# KiCad board hackrf-one.kicad_pcb
title: HackRF One; date: 2022-10-30; rev: r9; company: Copyright 2012-2022 Great Scott Gadgets; note: Licensed under the CERN-OHL-P v2
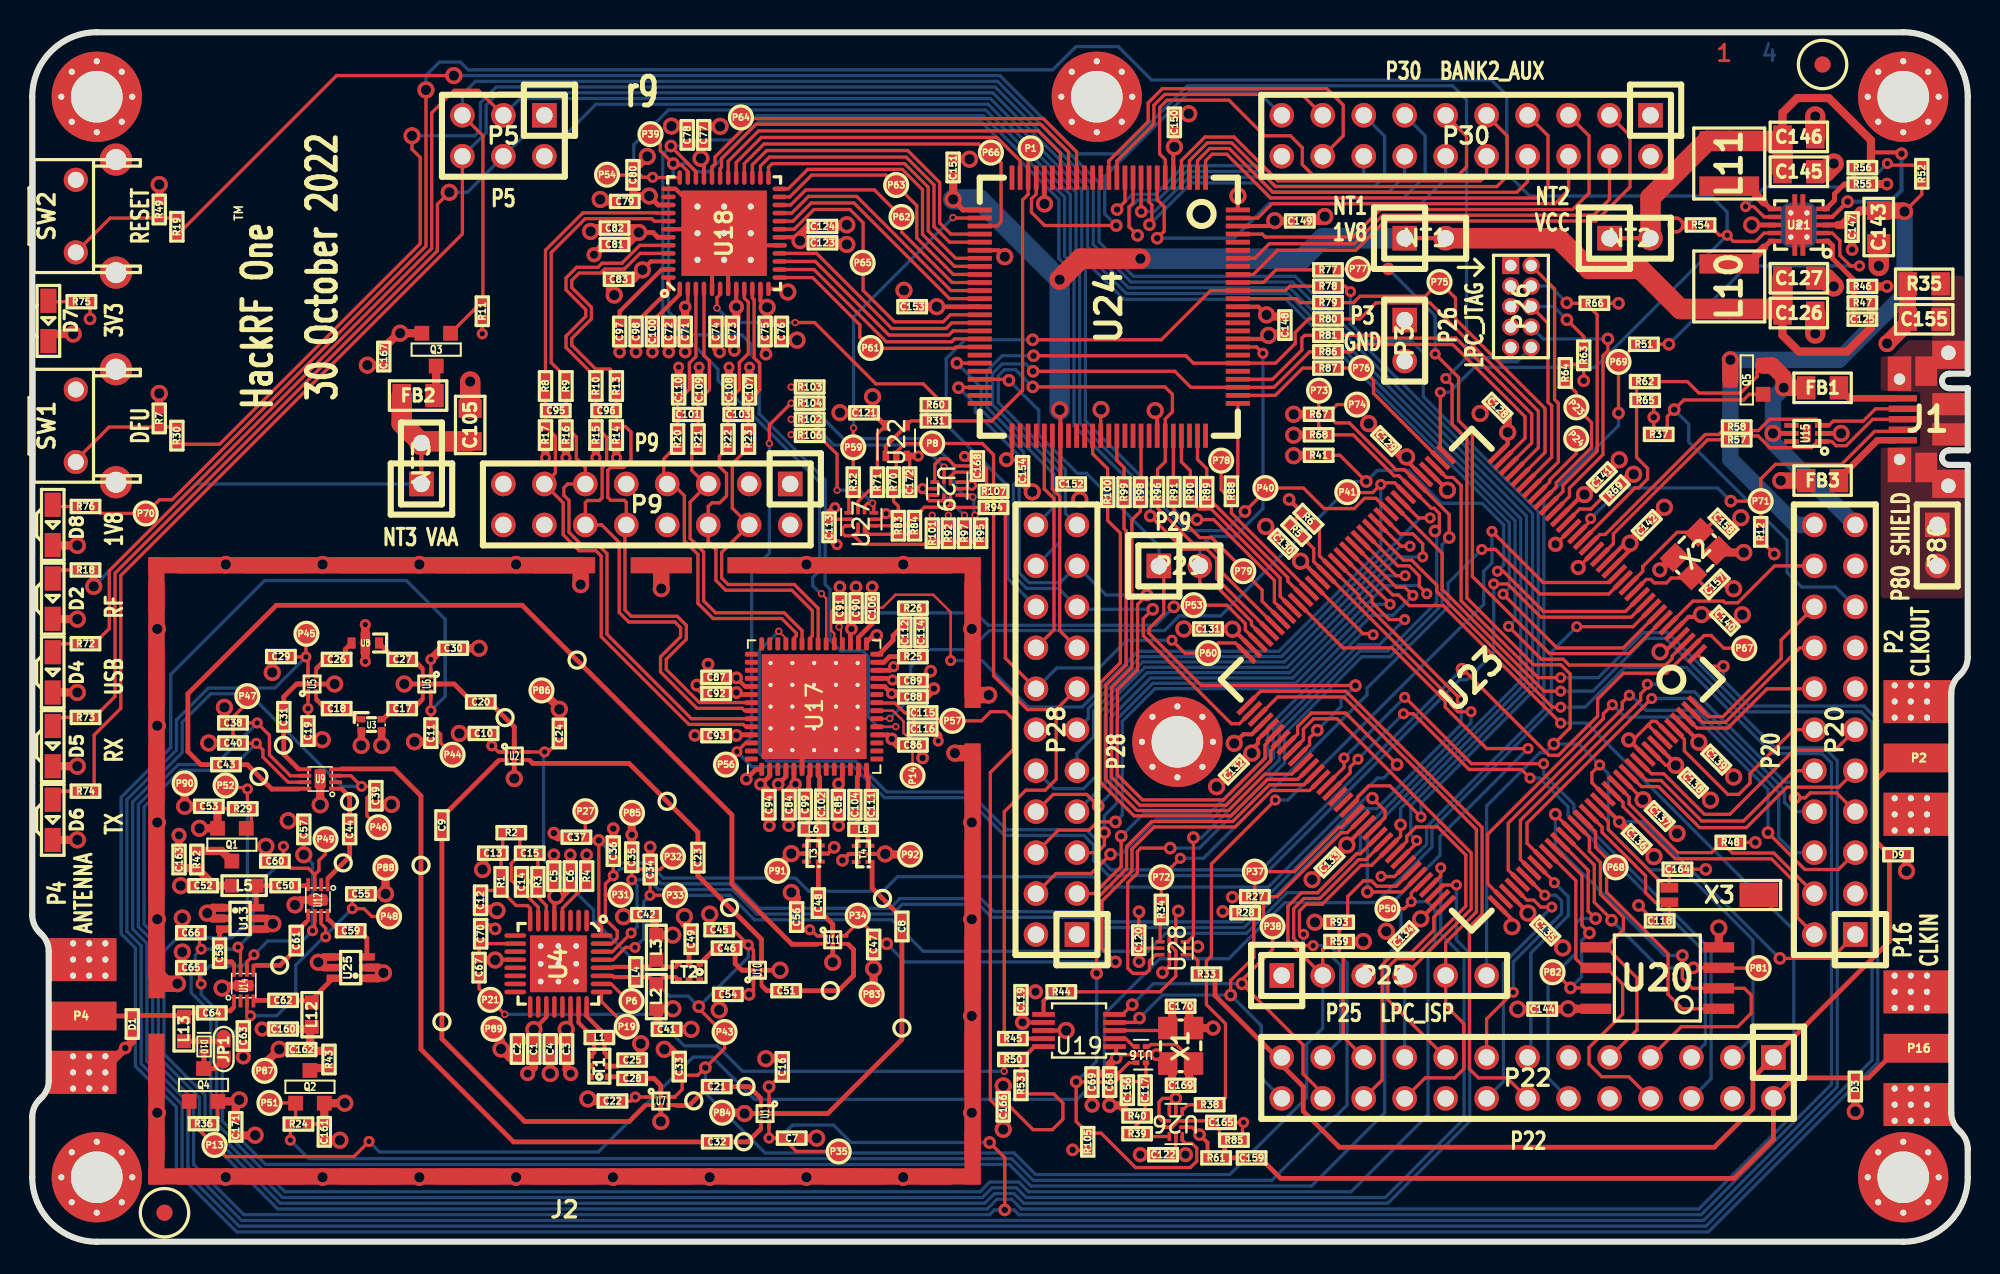
[diagram p0: board, top side]
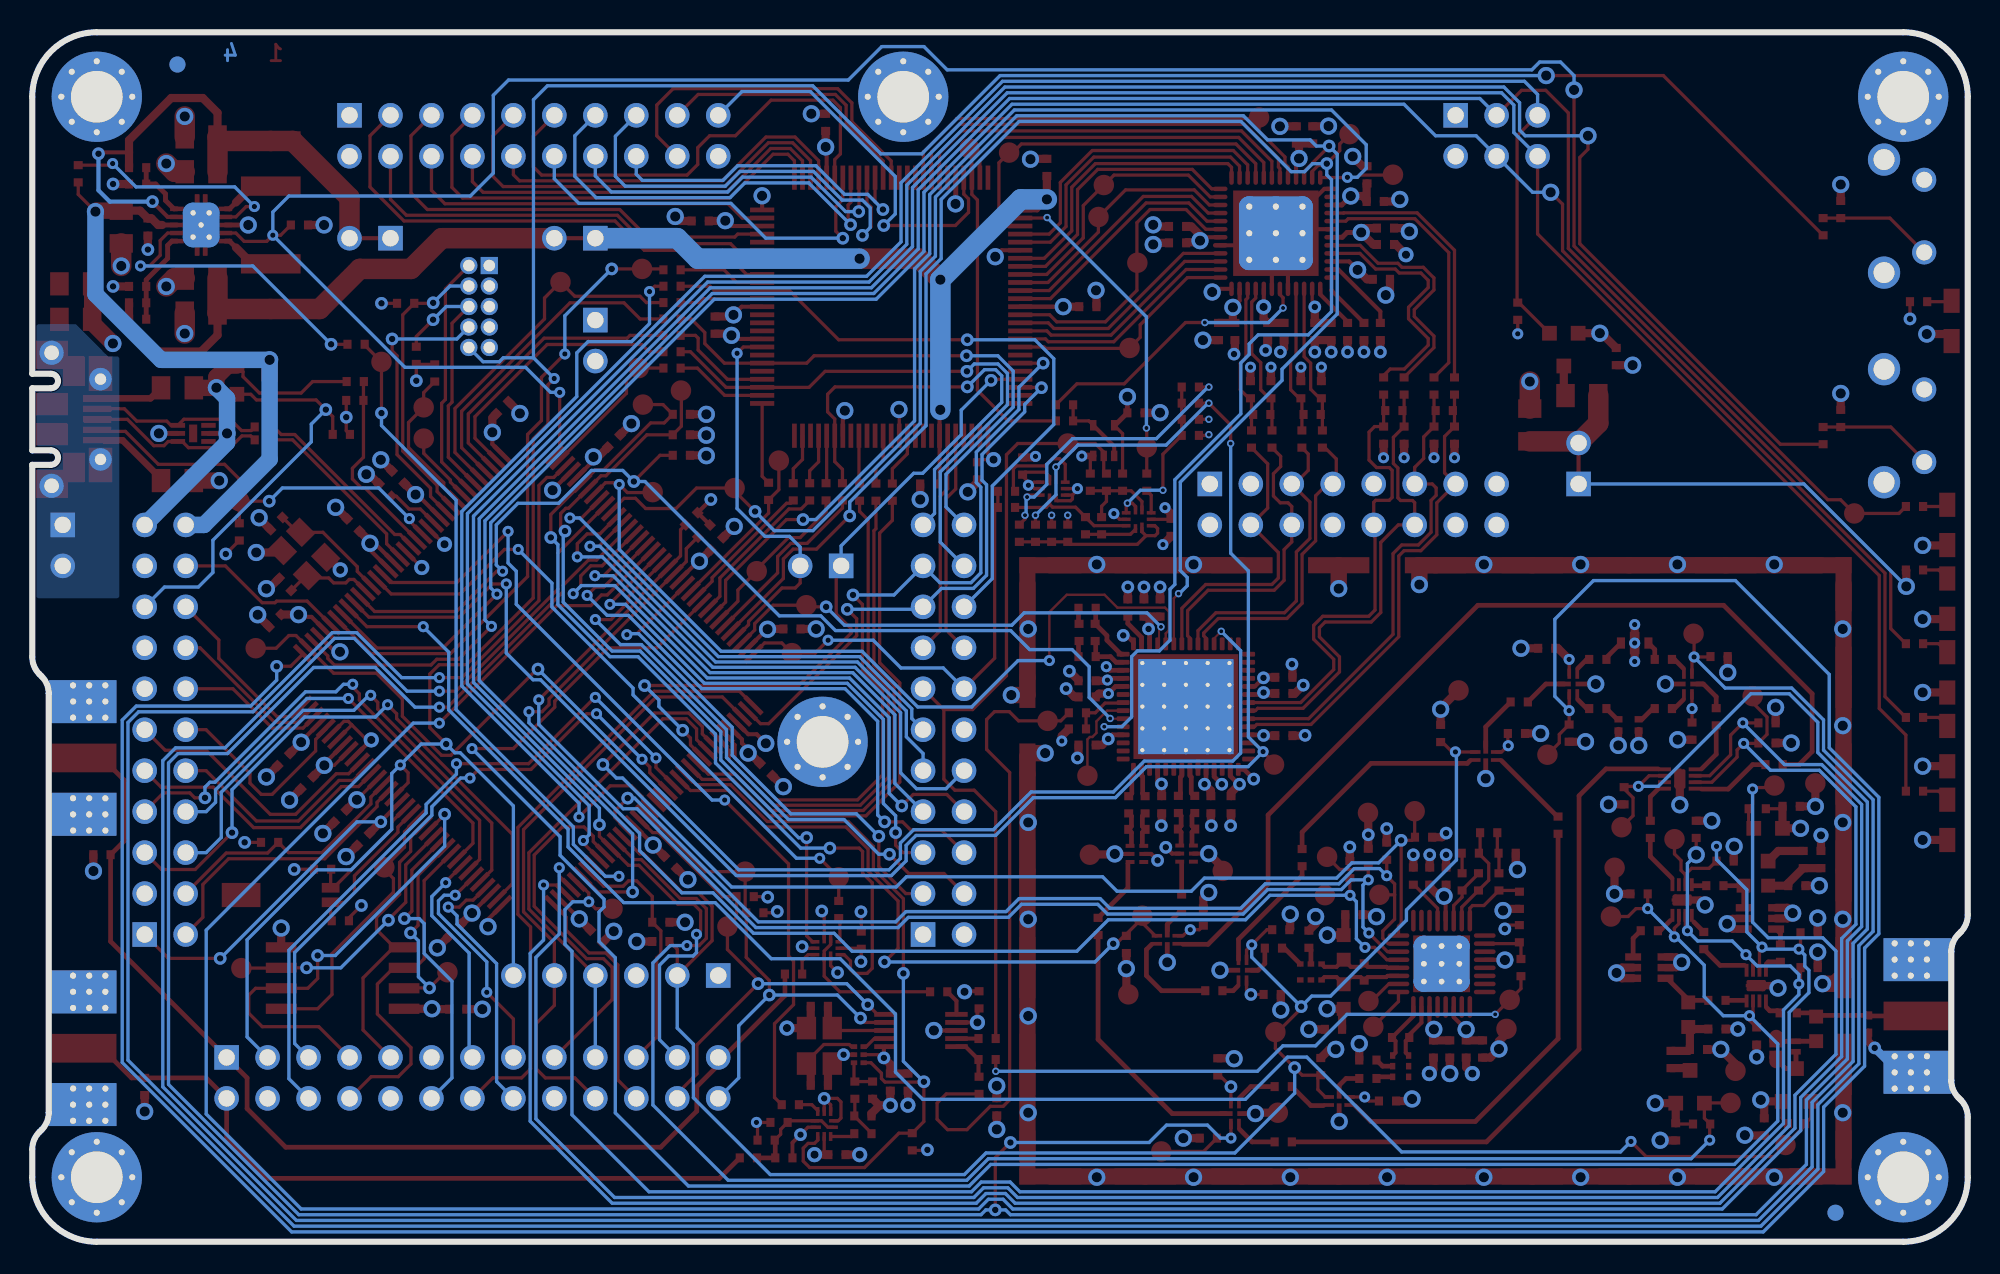
[diagram p1: board, bottom side, seen from below]

Outline 120 x 75 mm; copper layers: C1F, C2, C3, C4B. Coordinates in mm from the lower left corner of the outline.
Outline path: 0,71 arc(1.17,73.83) 4,75 116,75 arc(118.83,73.83) 120,71 120,53.83 118.85,53.83 arc(118.4,53.38) 118.85,52.92 120,52.92 120,49.08 118.85,49.08 arc(118.4,48.62) 118.85,48.17 120,48.17 120,36.26 arc(119.89,35.69) 119.56,35.2 119.42,35.06 arc(119.09,34.57) 118.98,34 118.98,8 arc(119.09,7.43) 119.42,6.94 119.56,6.8 arc(119.89,6.31) 120,5.74 120,4 arc(118.83,1.17) 116,0 4,0 arc(1.17,1.17) 0,4 0,7.74 arc(0.11,8.31) 0.44,8.8 0.58,8.94 arc(0.91,9.43) 1.02,10 1.02,18 arc(0.91,18.57) 0.58,19.06 0.44,19.2 arc(0.11,19.69) 0,20.26 0,71
Stack: C1F 0.035mm / dielectric 0.2104mm 7628 er 4.6 / C2 0.0152mm / dielectric 1.065mm 7628 er 4.6 / C3 0.0152mm / dielectric 0.2104mm 7628 er 4.6 / C4B 0.035mm

## Placement (name value [footprint] x y rotation side)
C1  33pF  [GSG-0402]  31.1 11.95 270 top
C2  10nF  [GSG-0402]  30.08 11.95 270 top
C3  33pF  [GSG-0402]  33.13 11.95 270 top
C4  10nF  [GSG-0402]  32.11 11.95 270 top
C5  33pF  [GSG-0402]  32.34 22.67 90 top
C6  10nF  [GSG-0402]  33.36 22.67 90 top
C7  33pF  [GSG-0402]  47.08 6.42 180 top
C8  22pF  [GSG-0402]  53.92 19.55 270 top
C9  100nF  [GSG-0402]  25.4 25.83 90 top
C10  10nF  [GSG-0402]  27.98 31.52 0 top
C11  33pF  [GSG-0402]  24.71 31.54 90 top
C12  330pF  [GSG-0402]  27.79 21.17 270 top
C13  330pF  [GSG-0402]  28.56 24.09 180 top
C14  8p2  [GSG-0402]  30.33 22.32 90 top
C15  180pF  [GSG-0402]  30.84 24.09 0 top
C16  10nF  [GSG-0402]  46.5 10.84 90 top
C17  100nF  [GSG-0402]  22.94 33.06 0 top
C18  100nF  [GSG-0402]  18.87 33.06 0 top
C19  10nF  [GSG-0402]  17.09 31.66 90 top
C20  100nF  [GSG-0402]  27.81 33.47 0 top
C21  22pF  [GSG-0402]  42.44 9.62 180 top
C22  10nF  [GSG-0402]  35.97 8.73 0 top
C23  100nF  [GSG-0402]  41.27 23.82 90 top
C24  33pF  [GSG-0402]  32.68 31.52 270 top
C25  100nF  [GSG-0402]  37.19 11.27 0 top
C26  47pF  [GSG-0402]  18.87 36.11 180 top
C27  47pF  [GSG-0402]  22.94 36.11 0 top
C28  100nF  [GSG-0402]  37.19 10.12 0 top
C29  33pF  [GSG-0402]  15.42 36.29 180 top
C30  10nF  [GSG-0402]  26.1 36.8 0 top
C31  100nF  [GSG-0402]  15.6 32.55 90 top
C32  22pF  [GSG-0402]  42.44 6.19 180 top
C33  33pF  [GSG-0402]  40.11 10.86 90 top
C34  33pF  [GSG-0402]  38.31 23.08 90 top
C35  33pF  [GSG-0402]  37.17 23.84 90 top
C36  33pF  [GSG-0402]  36.02 24.22 90 top
C37  33pF  [GSG-0402]  33.74 25.09 180 top
C38  33pF  [GSG-0402]  12.45 32.17 0 top
C39  33pF  [GSG-0402]  21.31 27.65 90 top
C40  33pF  [GSG-0402]  12.45 30.93 0 top
C41  100pF  [GSG-0402]  39.33 13.17 0 top
C42  100pF  [GSG-0402]  38.06 20.28 180 top
C43  22pF  [GSG-0402]  12.01 29.59 180 top
C44  100nF  [GSG-0402]  19.68 25.57 90 top
C45  33pF  [GSG-0402]  42.59 19.35 0 top
C46  100nF  [GSG-0402]  43.05 18.21 180 top
C47  33pF  [GSG-0402]  52.17 18.43 90 top
C48  22pF  [GSG-0402]  48.74 21 90 top
C49  100nF  [GSG-0402]  40.85 18.76 270 top
C50  100nF  [GSG-0402]  15.68 22.08 0 top
C51  22pF  [GSG-0402]  46.74 15.57 180 top
C52  100pF  [GSG-0402]  10.6 22.08 180 top
C53  1uF  [GSG-0402]  10.95 27 180 top
C54  10nF  [GSG-0402]  43.12 15.34 180 top
C55  33pF  [GSG-0402]  20.38 21.57 0 top
C56  10nF  [GSG-0402]  47.39 20.14 90 top
C57  33pF  [GSG-0402]  16.83 25.57 90 top
C58  100nF  [GSG-0402]  11.61 17.89 90 top
C59  100nF  [GSG-0402]  19.74 19.29 0 top
C60  33pF  [GSG-0402]  15.04 23.6 0 top
C61  100nF  [GSG-0402]  16.36 18.68 90 top
C62  100nF  [GSG-0402]  15.55 14.97 0 top
C63  33pF  [GSG-0402]  13.09 12.76 270 top
C64  100nF  [GSG-0402]  11.13 14.19 180 top
C65  33pF  [GSG-0402]  9.84 17 0 top
C66  33pF  [GSG-0402]  9.84 19.16 0 top
C67  33pF  [GSG-0402]  27.7 17 90 top
C68  100nF  [GSG-0402]  66.8 9.9 270 top
C69  100nF  [GSG-0402]  65.7 9.9 270 top
C70  100pF  [GSG-0402]  27.8 19.1 90 top
C71  100nF  [GSG-0402]  40.48 56.44 270 top
C72  2.2uF  [GSG-0402]  39.47 56.44 270 top
C73  100nF  [GSG-0402]  43.4 56.44 270 top
C74  2.2uF  [GSG-0402]  42.39 56.44 270 top
C75  100nF  [GSG-0402]  45.44 56.44 270 top
C76  2.2uF  [GSG-0402]  46.45 56.44 270 top
C77  100nF  [GSG-0402]  41.63 68.63 90 top
C78  2.2uF  [GSG-0402]  40.61 68.63 90 top
C79  100nF  [GSG-0402]  36.74 64.51 180 top
C80  2.2uF  [GSG-0402]  37.24 66.16 90 top
C81  100nF  [GSG-0402]  36.1 61.84 180 top
C82  2.2uF  [GSG-0402]  36.1 62.86 180 top
C83  100nF  [GSG-0402]  36.35 59.68 180 top
C84  22pF  [GSG-0402]  46.92 27.1 270 top
C85  22pF  [GSG-0402]  49.97 27.1 270 top
C86  22pF  [GSG-0402]  54.6 30.8 0 top
C87  10nF  [GSG-0402]  42.4 35 180 top
C88  10nF  [GSG-0402]  54.6 33.78 0 top
C89  10nF  [GSG-0402]  54.6 34.78 0 top
C90  100pF  [GSG-0402]  51.08 39.3 90 top
C91  100nF  [GSG-0402]  50.08 39.3 90 top
C92  10nF  [GSG-0402]  42.4 34 180 top
C93  22pF  [GSG-0402]  42.4 31.38 180 top
C94  22pF  [GSG-0402]  45.67 27.1 270 top
C95  22pF  [GSG-0402]  32.46 51.54 0 top
C96  22pF  [GSG-0402]  35.58 51.54 0 top
C97  330nF  [GSG-0402]  36.42 56.44 270 top
C98  330nF  [GSG-0402]  37.43 56.44 270 top
C99  3.9pF  [GSG-0402]  47.92 27.12 270 top
C100  330nF  [GSG-0402]  38.45 56.44 270 top
C101  22pF  [GSG-0402]  40.65 51.3 0 top
C102  3.9pF  [GSG-0402]  48.94 27.12 270 top
C103  22pF  [GSG-0402]  43.77 51.3 0 top
C104  3.9pF  [GSG-0402]  51 27.1 270 top
C105  10uF  [GSG-0805]  27.15 50.65 90 top
C106  1uF  [GSG-0402]  52.08 39.3 90 top
C107  22pF  [GSG-0402]  44.47 52.84 90 top
C108  22pF  [GSG-0402]  43.2 52.84 90 top
C109  22pF  [GSG-0402]  41.35 52.84 90 top
C110  22pF  [GSG-0402]  40.08 52.84 90 top
C111  3.9pF  [GSG-0402]  52.02 27.1 270 top
C112  120pF  [GSG-0402]  54.1 37.78 270 top
C113  100nF  [GSG-0402]  49.4 44.3 270 top
C114  2.2nF  [GSG-0402]  55.1 37.78 270 top
C115  33pF  [GSG-0402]  55.2 32.8 180 top
C116  47pF  [GSG-0402]  55.2 31.8 0 top
C117  33pF  [GSG-0402]  69 9.4 90 top
C118  18pF  [GSG-0402]  100.9 19.9 180 top
C119  100nF  [GSG-0402]  61.3 15 90 top
C120  100nF  [GSG-0402]  68.6 18.7 90 top
C121  100nF  [GSG-0402]  51.57 51.4 180 top
C122  100nF  [GSG-0402]  70.11 5.4 180 top
C123  100nF  [GSG-0402]  48.99 61.94 0 top
C124  2.2uF  [GSG-0402]  48.99 62.96 0 top
C125  33pF  [GSG-0402]  113.47 57.21 180 top
C126  10uF  [GSG-0805]  109.53 57.59 0 top
C127  10uF  [GSG-0805]  109.53 59.75 0 top
C128  100nF  [GSG-0402]  90.85 51.72 135 top
C129  100nF  [GSG-0402]  83.93 49.66 135 top
C130  100nF  [GSG-0402]  77.56 43.28 135 top
C131  100nF  [GSG-0402]  72.9 38 180 top
C132  100nF  [GSG-0402]  74.5 29.29 225 top
C133  100nF  [GSG-0402]  80.43 23.52 225 top
C134  100nF  [GSG-0402]  85.01 18.94 225 top
C135  100nF  [GSG-0402]  93.81 19.3 315 top
C136  100nF  [GSG-0402]  99.47 24.96 315 top
C137  100nF  [GSG-0402]  100.9 26.4 315 top
C138  100nF  [GSG-0402]  102.97 28.46 315 top
C139  100nF  [GSG-0402]  104.41 29.9 315 top
C140  100nF  [GSG-0402]  104.95 38.52 315 top
C141  100nF  [GSG-0402]  97.31 47.41 45 top
C142  100nF  [GSG-0402]  100.1 44.45 45 top
C143  10uF  [GSG-0805]  114.48 62.92 270 top
C144  100nF  [GSG-0402]  93.62 14.42 180 top
C145  10uF  [GSG-0805]  109.53 66.35 180 top
C146  10uF  [GSG-0805]  109.53 68.51 180 top
C147  100nF  [GSG-0402]  112.83 62.92 270 top
C148  100nF  [GSG-0402]  77.67 56.84 270 top
C149  100nF  [GSG-0402]  78.59 63.3 0 top
C150  100nF  [GSG-0402]  70.81 69.41 90 top
C151  100nF  [GSG-0402]  57.09 66.62 90 top
C152  100nF  [GSG-0402]  64.41 46.99 0 top
C153  100nF  [GSG-0402]  54.55 57.98 180 top
C154  100nF  [GSG-0402]  61.4 47.8 270 top
C155  DNP  [GSG-0805]  117.3 57.2 180 top
C156  100pF  [GSG-0402]  67.9 9.4 270 top
C157  18pF  [GSG-0402]  104.32 40.76 45 top
C158  18pF  [GSG-0402]  104.86 44.54 315 top
C159  100nF  [GSG-0402]  75.6 5.2 180 top
C160  100pF  [GSG-0402]  15.55 13.19 180 top
C161  1uF  [GSG-0402]  18.11 6.82 270 top
C162  10nF  [GSG-0402]  16.69 11.92 0 top
C163  10nF  [GSG-0402]  9.1 23.7 270 top
C164  18pF  [GSG-0402]  102 23.1 0 top
C165  33pF  [GSG-0402]  73.7 7.4 0 top
C166  100nF  [GSG-0402]  60.2 8.37 270 top
C167  100nF  [GSG-0402]  21.79 54.89 270 top
C168  100nF  [GSG-0402]  58.6 48.1 90 top
C169  1.8pF  [GSG-0402]  71.2 9.7 0 top
C170  1.8pF  [GSG-0402]  71.2 14.6 180 top
C171  1uF  [GSG-0402]  12.62 7.12 270 top
C172  22pF  [GSG-0402]  54.4 47.1 270 top
D1  GSG-DIODE-TVS-BI  [GSG-0402]  6.2 13.5 90 top
D2  VAALED  [LTST-S220]  1.27 39.88 270 top
D3  GSG-DIODE-TVS-BI  [GSG-0402]  113.03 9.63 90 top
D4  USBLED  [LTST-S220]  1.27 35.31 270 top
D5  RXLED  [LTST-S220]  1.27 30.73 270 top
D6  TXLED  [LTST-S220]  1.27 26.16 270 top
D7  VCCLED  [LTST-S220]  1 57.1 270 top
D8  1V8LED  [LTST-S220]  1.27 44.45 270 top
D9  GSG-DIODE-TVS-BI  [GSG-0402]  115.68 24 180 top
D10  D_Schottky  [DSN1006-2]  10.65 12.11 270 top
FB1  FILTER  [GSG-0805]  111 52.95 180 top
FB2  FILTER  [GSG-0805]  23.92 52.47 180 top
FB3  FILTER  [GSG-0805]  111 47.2 180 top
J1  USB-MICRO-B  [GSG-USB-MICROB-FCI-10103592-EXT]  120 51 180 top
J2  RF-SHIELD-FRAME  [GSG-SHIELD-BMI-S-230]  33 23 0 top
J3  RF-SHIELD-COVER  [GSG-NULL-MODULE]  45.96 2.18 0 top
J4  MOUNTING_HOLE  [GSG-HOLE126MIL-COPPER]  4 71 0 top
J5  MOUNTING_HOLE  [GSG-HOLE126MIL-COPPER]  4 4 0 top
J6  MOUNTING_HOLE  [GSG-HOLE126MIL-COPPER]  116 4 0 top
J7  MOUNTING_HOLE  [GSG-HOLE126MIL-COPPER]  116 71 0 top
J8  MOUNTING_HOLE  [GSG-HOLE126MIL-COPPER]  66 71 0 top
J9  MOUNTING_HOLE  [GSG-HOLE126MIL-COPPER]  71 31 0 top
JP1  Jumper  [0603-JUMPER]  11.87 11.95 270 top
L1  DNP  [GSG-0402]  35.16 12.66 0 top
L2  10uH  [GSG-0603]  38.69 15.2 270 top
L3  10uH  [GSG-0603]  38.69 18.25 90 top
L4  DNP  [GSG-0402]  37.42 16.73 270 top
L5  10uH  [GSG-0603]  13.14 22.08 0 top
L6  5.6nH  [GSG-0402]  48.43 25.59 0 top
L8  5.6nH  [GSG-0402]  51.51 25.57 0 top
L10  4u7  [GSG-NRG4026]  105.21 59.24 270 top
L11  4u7  [GSG-NRG4026]  105.21 66.86 270 top
L12  10uH  [GSG-0603]  17.33 14.08 90 top
L13  10uH  [GSG-0603]  9.4 13.2 90 top
MARK1MM  VAL**  [GSG-MARK1MM]  111 73 0 top
MARK1MM#2  VAL**  [GSG-MARK1MM]  8.2 1.8 0 top
NT1  1V8  [HEADER-1x2-SHORTED]  86.36 62.23 0 top
NT2  VCC  [HEADER-1x2-SHORTED]  99.06 62.23 0 top
NT3  VAA  [HEADER-1x2-SHORTED]  24.13 48.26 90 top
P1  AD_CLK  [GSG-TESTPOINT-50MIL]  61.9 67.8 0 top
P2  CLKOUT  [GSG-SMA-73251-2120]  118.97 30 180 top
P3  GND  [GSG-HEADER-NOMARK-1x2]  85.09 55.88 270 top
P4  ANTENNA  [GSG-SMA-73251-2120]  1.03 14 0 top
P5  LEDS  [GSG-HEADER-2x3]  29.21 68.58 180 top
P6  GPO4  [GSG-TESTPOINT-50MIL]  37.16 14.93 0 top
P8  FSX2_CLK  [GSG-TESTPOINT-50MIL]  55.8 49.5 0 top
P9  BASEBAND  [GSG-HEADER-2x8]  38.1 45.72 180 top
P13  GPO1  [GSG-TESTPOINT-50MIL]  11.3 6 0 top
P14  XCVR_CLKOUT  [GSG-TESTPOINT-50MIL]  54.58 28.9 90 top
P16  CLKIN  [GSG-SMA-73251-2120]  118.97 12 180 top
P19  GPO3  [GSG-TESTPOINT-50MIL]  36.86 13.34 0 top
P20  GPIO  [GSG-HEADER-2x11]  111.76 31.75 90 top
P21  MIX_CLK  [GSG-TESTPOINT-50MIL]  28.4 15 0 top
P22  I2S  [GSG-HEADER-2x13]  92.71 10.16 180 top
P23  DBGEN  [GSG-TESTPOINT-50MIL]  95.73 51.74 315 top
P24  TRST  [GSG-TESTPOINT-50MIL]  95.73 49.8 315 top
P25  LPC_ISP  [GSG-HEADER-1x6]  83.82 16.51 0 top
P26  LPC_JTAG  [GSG-50MIL-HEADER-2x5-TH]  92.3 57.99 270 top
P27  MIXER_SDATA  [GSG-TESTPOINT-50MIL]  34.29 26.7 0 top
P28  SD  [GSG-HEADER-2x11]  63.5 31.75 90 top
P29  CPLD_JTAG  [GSG-HEADER-1x2]  71.12 41.91 0 top
P30  BANK2_AUX  [GSG-HEADER-2x10]  88.9 68.58 180 top
P31  MIXER_SCLK  [GSG-TESTPOINT-50MIL]  36.47 21.51 0 top
P32  MIXER_ENX  [GSG-TESTPOINT-50MIL]  39.72 23.87 0 top
P33  MIXER_RESETX  [GSG-TESTPOINT-50MIL]  39.85 21.49 0 top
P34  MIX_BYPASS  [GSG-TESTPOINT-50MIL]  51.18 20.22 0 top
P35  !MIX_BYPASS  [GSG-TESTPOINT-50MIL]  50 5.6 0 top
P37  SCL  [GSG-TESTPOINT-50MIL]  75.8 22.95 0 top
P38  SDA  [GSG-TESTPOINT-50MIL]  76.9 19.55 0 top
P39  SSP1_SCK  [GSG-TESTPOINT-50MIL]  38.33 68.68 0 top
P40  SSP1_COPI  [GSG-TESTPOINT-50MIL]  76.45 46.74 0 top
P41  SSP1_CIPO  [GSG-TESTPOINT-50MIL]  81.53 46.48 180 top
P43  RX  [GSG-TESTPOINT-50MIL]  42.93 13 0 top
P44  HP  [GSG-TESTPOINT-50MIL]  26.06 30.2 0 top
P45  LP  [GSG-TESTPOINT-50MIL]  17 37.7 0 top
P46  TX_MIX_BP  [GSG-TESTPOINT-50MIL]  21.46 25.7 0 top
P47  RX_MIX_BP  [GSG-TESTPOINT-50MIL]  13.33 33.83 0 top
P48  TX_AMP  [GSG-TESTPOINT-50MIL]  22.12 20.17 0 top
P49  RX_AMP  [GSG-TESTPOINT-50MIL]  18.18 24.96 0 top
P50  AMP_BYPASS  [GSG-TESTPOINT-50MIL]  84.02 20.65 0 top
P51  !TX_AMP_PWR  [GSG-TESTPOINT-50MIL]  14.71 8.61 0 top
P52  !RX_AMP_PWR  [GSG-TESTPOINT-50MIL]  11.98 28.29 0 top
P53  CS_XCVR  [GSG-TESTPOINT-50MIL]  72.01 39.47 0 top
P54  CS_AD  [GSG-TESTPOINT-50MIL]  35.64 66.17 0 top
P56  RXENABLE  [GSG-TESTPOINT-50MIL]  43.01 29.59 0 top
P57  XCVR_CLK  [GSG-TESTPOINT-50MIL]  57.05 32.3 0 top
P59  GCK2  [GSG-TESTPOINT-50MIL]  50.9 49.26 0 top
P60  SGPIO_CLK  [GSG-TESTPOINT-50MIL]  72.9 36.5 0 top
P61  DA0  [GSG-TESTPOINT-50MIL]  51.97 55.42 0 top
P62  DA7  [GSG-TESTPOINT-50MIL]  53.89 63.54 0 top
P63  DD0  [GSG-TESTPOINT-50MIL]  53.56 65.53 0 top
P64  DD9  [GSG-TESTPOINT-50MIL]  43.94 69.72 0 top
P65  DA4  [GSG-TESTPOINT-50MIL]  51.49 60.71 0 top
P66  DD5  [GSG-TESTPOINT-50MIL]  59.44 67.54 0 top
P67  RSSI  [GSG-TESTPOINT-50MIL]  106.15 36.8 0 top
P68  SPIFI_CS  [GSG-TESTPOINT-50MIL]  98.17 23.22 0 top
P69  VREGMODE  [GSG-TESTPOINT-50MIL]  98.35 54.56 0 top
P70  EN_1V8  [GSG-TESTPOINT-50MIL]  7.04 45.16 0 top
P71  ID  [GSG-TESTPOINT-50MIL]  107.16 45.92 0 top
P72  GP_CLKIN  [GSG-TESTPOINT-50MIL]  70 22.6 0 top
P73  P1_2  [GSG-TESTPOINT-50MIL]  79.78 52.78 0 top
P74  P1_1  [GSG-TESTPOINT-50MIL]  82.14 51.91 0 top
P75  GP_CLKIN  [GSG-TESTPOINT-50MIL]  87.25 59.51 0 top
P76  GP_CLKIN  [GSG-TESTPOINT-50MIL]  82.4 54.18 0 top
P77  GP_CLKIN  [GSG-TESTPOINT-50MIL]  82.19 60.33 0 top
P78  GP_CLKIN  [GSG-TESTPOINT-50MIL]  73.71 48.44 0 top
P79  GP_CLKIN  [GSG-TESTPOINT-50MIL]  75.08 41.58 0 top
P80  SHIELD  [GSG-HEADER-NOMARK-1x2]  118.11 43.18 270 top
P81  SPIFI_SIO2  [GSG-TESTPOINT-50MIL]  107.04 16.97 0 top
P82  SPIFI_SIO3  [GSG-TESTPOINT-50MIL]  94.26 16.71 0 top
P83  GND  [GSG-TESTPOINT-50MIL]  52.04 15.34 0 top
P84  GND  [GSG-TESTPOINT-50MIL]  42.77 8 0 top
P85  GND  [GSG-TESTPOINT-50MIL]  37.19 26.59 0 top
P86  GND  [GSG-TESTPOINT-50MIL]  31.57 34.19 0 top
P87  GND  [GSG-TESTPOINT-50MIL]  14.4 10.6 0 top
P88  GND  [GSG-TESTPOINT-50MIL]  21.89 23.19 0 top
P89  GND  [GSG-TESTPOINT-50MIL]  28.6 13.2 0 top
P90  GND  [GSG-TESTPOINT-50MIL]  9.45 28.42 0 top
P91  GND  [GSG-TESTPOINT-50MIL]  46.19 22.99 0 top
P92  GND  [GSG-TESTPOINT-50MIL]  54.42 24 0 top
Q1  MOSFET_P  [SOT23-3]  12.38 24.62 0 top
Q2  MOSFET_P  [SOT23-3]  17.22 9.61 180 top
Q3  MOSFET_P  [SOT23-3]  25.04 55.32 0 top
Q4  MOSFET_P  [SOT23-3]  10.62 9.72 180 top
Q5  MOSFET_P  [SOT23-3]  106.3 53.44 270 top
R1  470  [GSG-0402]  29.06 22.32 270 top
R2  470  [GSG-0402]  29.7 25.36 180 top
R3  22k  [GSG-0402]  31.35 22.32 90 top
R4  51k  [GSG-0402]  34.37 22.67 270 top
R5  10k  [GSG-0402]  78.36 44.07 315 top
R6  10k  [GSG-0402]  79.12 44.83 315 top
R7  10k  [GSG-0402]  7.87 51.05 90 top
R8  1k  [GSG-0402]  31.82 53.06 270 top
R9  1k  [GSG-0402]  33.09 53.06 270 top
R10  1k  [GSG-0402]  34.95 53.06 270 top
R11  10k  [GSG-0402]  27.9 57.7 90 top
R12  10k  [GSG-0402]  107.16 44.02 90 top
R13  1k  [GSG-0402]  36.22 53.06 270 top
R14  4k7  [GSG-0402]  36.22 50.02 270 top
R15  4k7  [GSG-0402]  34.95 50.02 270 top
R16  4k7  [GSG-0402]  33.09 50.02 270 top
R17  4k7  [GSG-0402]  31.82 50.02 270 top
R18  1k8  [GSG-0402]  3.3 41.66 0 top
R19  39  [GSG-0402]  8.97 62.94 90 top
R20  0  [GSG-0402]  40.01 49.77 270 top
R21  0  [GSG-0402]  41.28 49.77 270 top
R22  0  [GSG-0402]  43.14 49.77 270 top
R23  0  [GSG-0402]  44.41 49.77 270 top
R24  10k  [GSG-0402]  16.5 7.3 0 top
R25  750  [GSG-0402]  54.6 36.28 0 top
R26  750  [GSG-0402]  54.6 39.28 0 top
R27  1k8  [GSG-0402]  75.8 21.4 0 top
R28  1k8  [GSG-0402]  75.2 20.4 0 top
R29  10k  [GSG-0402]  13.05 26.85 0 top
R30  39  [GSG-0402]  8.97 49.99 90 top
R31  100  [GSG-0402]  56 50.9 180 top
R32  39  [GSG-0402]  50.9 47.1 270 top
R33  39  [GSG-0402]  72.8 16.6 180 top
R34  39  [GSG-0402]  70 20.6 270 top
R35  DNP  [GSG-0805]  117.3 59.4 180 top
R36  10k  [GSG-0402]  10.62 7.32 0 top
R37  10k  [GSG-0402]  100.84 50.06 0 top
R38  39  [GSG-0402]  73 8.5 0 top
R39  39  [GSG-0402]  68.5 6.7 0 top
R40  DNP  [GSG-0402]  68.5 7.8 0 top
R41  10k  [GSG-0402]  79.76 48.77 0 top
R42  18  [GSG-0402]  10.2 23.7 90 top
R43  18  [GSG-0402]  18.4 11.3 90 top
R44  39  [GSG-0402]  63.8 15.5 0 top
R45  0  [GSG-0402]  60.8 12.6 0 top
R46  162k  [GSG-0402]  113.47 59.24 180 top
R47  330k  [GSG-0402]  113.47 58.22 180 top
R48  10k  [GSG-0402]  105.28 24.76 180 top
R49  10k  [GSG-0402]  7.87 64.01 270 top
R50  39  [GSG-0402]  60.8 11.3 0 top
R51  10k  [GSG-0402]  99.92 55.65 180 top
R52  10k  [GSG-0402]  117.15 66.22 90 top
R53  39  [GSG-0402]  61.3 9.7 90 top
R54  10k  [GSG-0402]  103.43 63.05 0 top
R55  162k  [GSG-0402]  113.47 65.59 180 top
R56  715k  [GSG-0402]  113.47 66.6 180 top
R57  0  [GSG-0402]  105.68 49.72 0 top
R58  0  [GSG-0402]  105.68 50.53 0 top
R59  10k  [GSG-0402]  81.03 18.62 180 top
R60  100  [GSG-0402]  56 51.9 180 top
R61  10k  [GSG-0402]  73.4 5.2 0 top
R62  10k  [GSG-0402]  99.97 53.34 0 top
R63  10k  [GSG-0402]  96.19 54.97 270 top
R64  10k  [GSG-0402]  95.05 53.87 90 top
R65  18k  [GSG-0402]  100 52.17 180 top
R66  10k  [GSG-0402]  96.85 58.19 180 top
R67  10k  [GSG-0402]  79.76 51.31 180 top
R68  10k  [GSG-0402]  79.76 50.04 180 top
R69  12k  [GSG-0402]  98.12 46.6 45 top
R70  39  [GSG-0402]  53.4 47.1 90 top
R71  DNP  [GSG-0402]  52.4 47.1 90 top
R72  470  [GSG-0402]  3.3 37.08 0 top
R73  1k  [GSG-0402]  3.3 32.51 0 top
R74  1k8  [GSG-0402]  3.3 27.94 0 top
R75  470  [GSG-0402]  3.05 58.29 0 top
R76  1k  [GSG-0402]  3.3 45.59 0 top
R77  39  [GSG-0402]  80.34 60.27 180 top
R78  39  [GSG-0402]  80.34 59.25 180 top
R79  39  [GSG-0402]  80.34 58.24 180 top
R80  39  [GSG-0402]  80.34 57.22 180 top
R81  39  [GSG-0402]  80.34 56.2 180 top
R83  0  [GSG-0402]  53.7 44.4 90 top
R84  0  [GSG-0402]  54.7 44.4 90 top
R85  10k  [GSG-0402]  74.5 6.3 0 top
R86  39  [GSG-0402]  80.34 55.19 180 top
R87  39  [GSG-0402]  80.34 54.17 180 top
R88  39  [GSG-0402]  74.35 46.53 90 top
R89  39  [GSG-0402]  72.82 46.5 90 top
R90  39  [GSG-0402]  71.8 46.5 90 top
R91  39  [GSG-0402]  70.78 46.5 90 top
R92  0  [GSG-0402]  56.8 43.93 90 top
R93  10k  [GSG-0402]  81.03 19.81 180 top
R94  39  [GSG-0402]  59.6 45.53 180 top
R95  0  [GSG-0402]  58.8 43.93 90 top
R96  39  [GSG-0402]  69.77 46.5 90 top
R97  0  [GSG-0402]  57.8 43.93 90 top
R98  39  [GSG-0402]  68.71 46.48 90 top
R99  39  [GSG-0402]  67.69 46.48 90 top
R100  39  [GSG-0402]  66.67 46.48 90 top
R101  0  [GSG-0402]  55.8 43.93 90 top
R102  0  [GSG-0402]  48.2 51 180 top
R103  0  [GSG-0402]  48.2 53 180 top
R104  0  [GSG-0402]  48.2 52 180 top
R105  10k  [GSG-0402]  65.44 6.2 270 top
R106  0  [GSG-0402]  48.2 50 0 top
R107  39  [GSG-0402]  59.6 46.53 180 top
SW1  DFU  [GSG-SWITCH-FSMRA]  2.7 50.6 270 top
SW2  RESET  [GSG-SWITCH-FSMRA]  2.7 63.6 270 top
T1  MIX_IN_BALUN  [GSG-B0310J50100AHF]  35.16 10.89 270 top
T2  MIX_OUT_BALUN  [GSG-B0310J50100AHF]  40.72 16.73 0 top
T3  RX_BALUN  [GSG-2500BL14M100]  48.43 24.07 90 top
T4  TX_BALUN  [GSG-2500BL14M100]  51.51 24.05 90 top
TESTPOINT-30MIL-MASKONLY  VAL**  [GSG-TESTPOINT-30MIL-MASKONLY]  29.31 32.5 0 top
TESTPOINT-30MIL-MASKONLY#2  VAL**  [GSG-TESTPOINT-30MIL-MASKONLY]  24.1 23.34 0 top
TESTPOINT-30MIL-MASKONLY#3  VAL**  [GSG-TESTPOINT-30MIL-MASKONLY]  15.58 30.79 0 top
TESTPOINT-30MIL-MASKONLY#4  VAL**  [GSG-TESTPOINT-30MIL-MASKONLY]  14.05 28.85 0 top
TESTPOINT-30MIL-MASKONLY#5  VAL**  [GSG-TESTPOINT-30MIL-MASKONLY]  33.78 36.07 0 top
TESTPOINT-30MIL-MASKONLY#6  VAL**  [GSG-TESTPOINT-30MIL-MASKONLY]  25.4 13.64 0 top
TESTPOINT-30MIL-MASKONLY#7  VAL**  [GSG-TESTPOINT-30MIL-MASKONLY]  15.34 17.15 0 top
TESTPOINT-30MIL-MASKONLY#8  VAL**  [GSG-TESTPOINT-30MIL-MASKONLY]  19.28 23.49 0 top
TESTPOINT-30MIL-MASKONLY#9  VAL**  [GSG-TESTPOINT-30MIL-MASKONLY]  53.92 13.25 0 top
TESTPOINT-30MIL-MASKONLY#10  VAL**  [GSG-TESTPOINT-30MIL-MASKONLY]  44.11 6.2 0 top
TESTPOINT-30MIL-MASKONLY#11  VAL**  [GSG-TESTPOINT-30MIL-MASKONLY]  44.25 9.63 0 top
TESTPOINT-30MIL-MASKONLY#12  VAL**  [GSG-TESTPOINT-30MIL-MASKONLY]  41.02 8.74 0 top
TESTPOINT-30MIL-MASKONLY#13  VAL**  [GSG-TESTPOINT-30MIL-MASKONLY]  19.67 27.29 0 top
TESTPOINT-30MIL-MASKONLY#14  VAL**  [GSG-TESTPOINT-30MIL-MASKONLY]  49.48 15.57 0 top